# Altium PCB Graviton_11JAN15.PcbDoc (part 1 of 11) (continued)
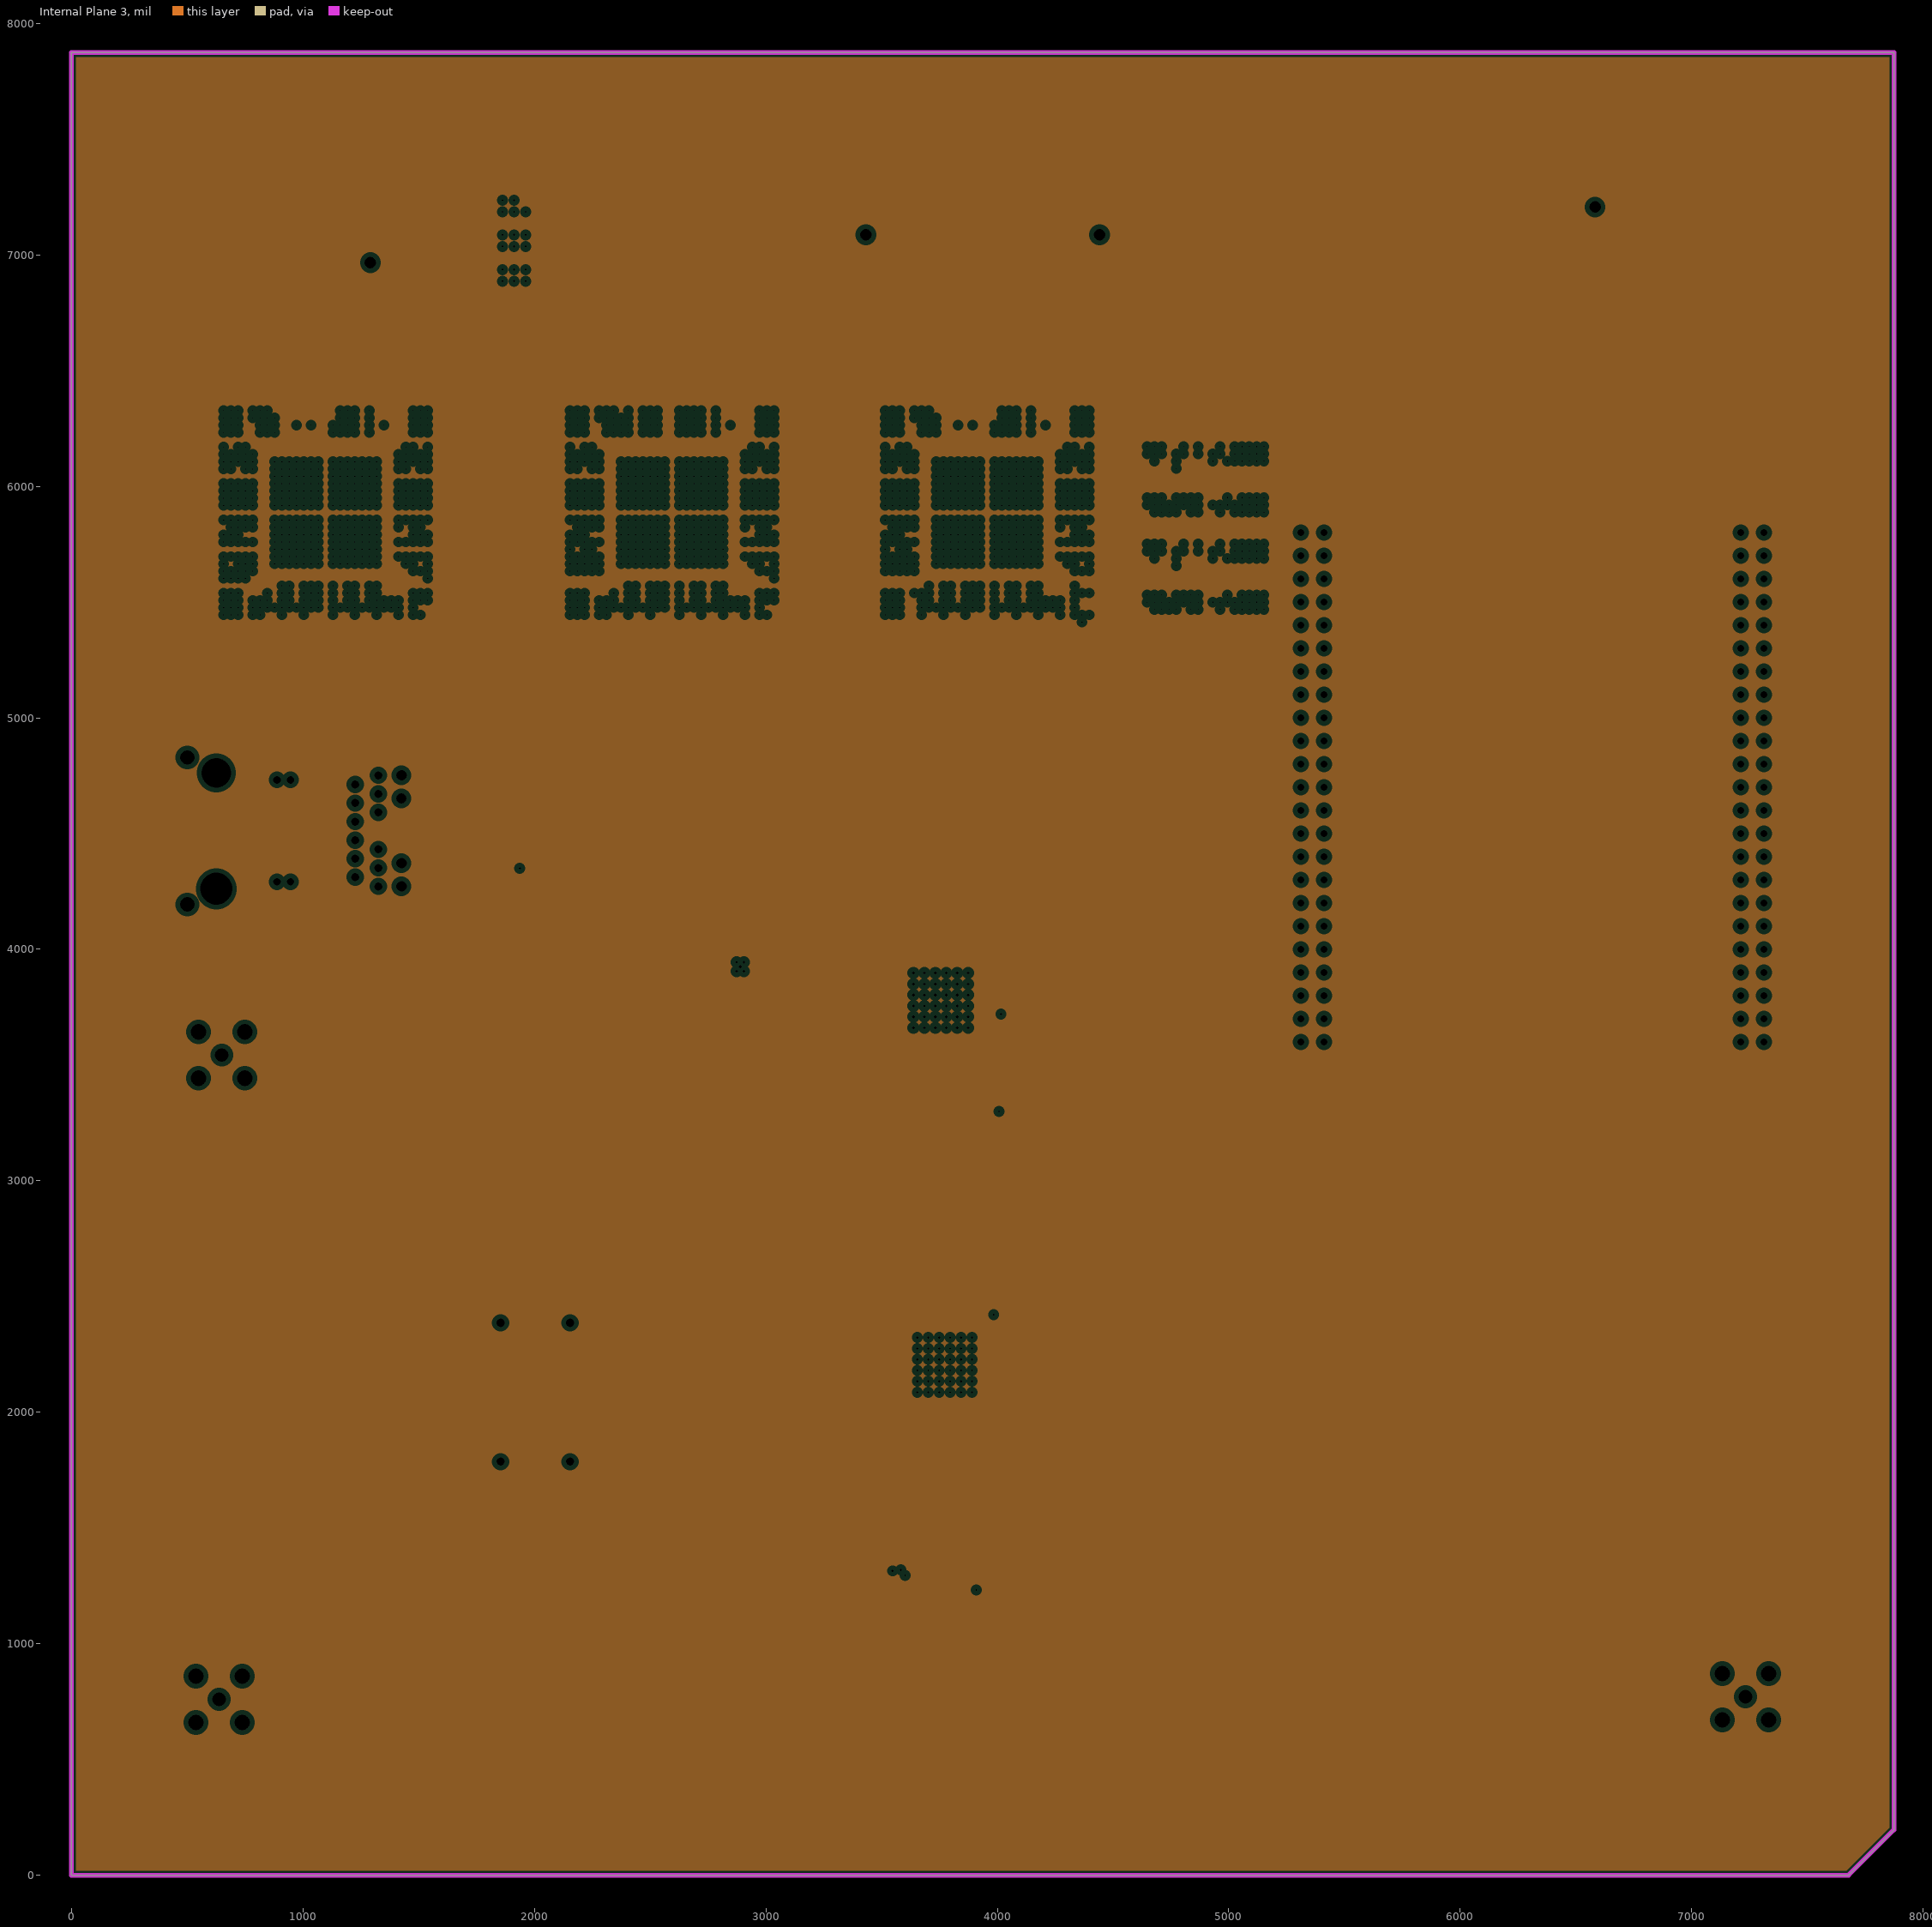
[diagram p3: Internal Plane 3, clearances drawn from the general rule]
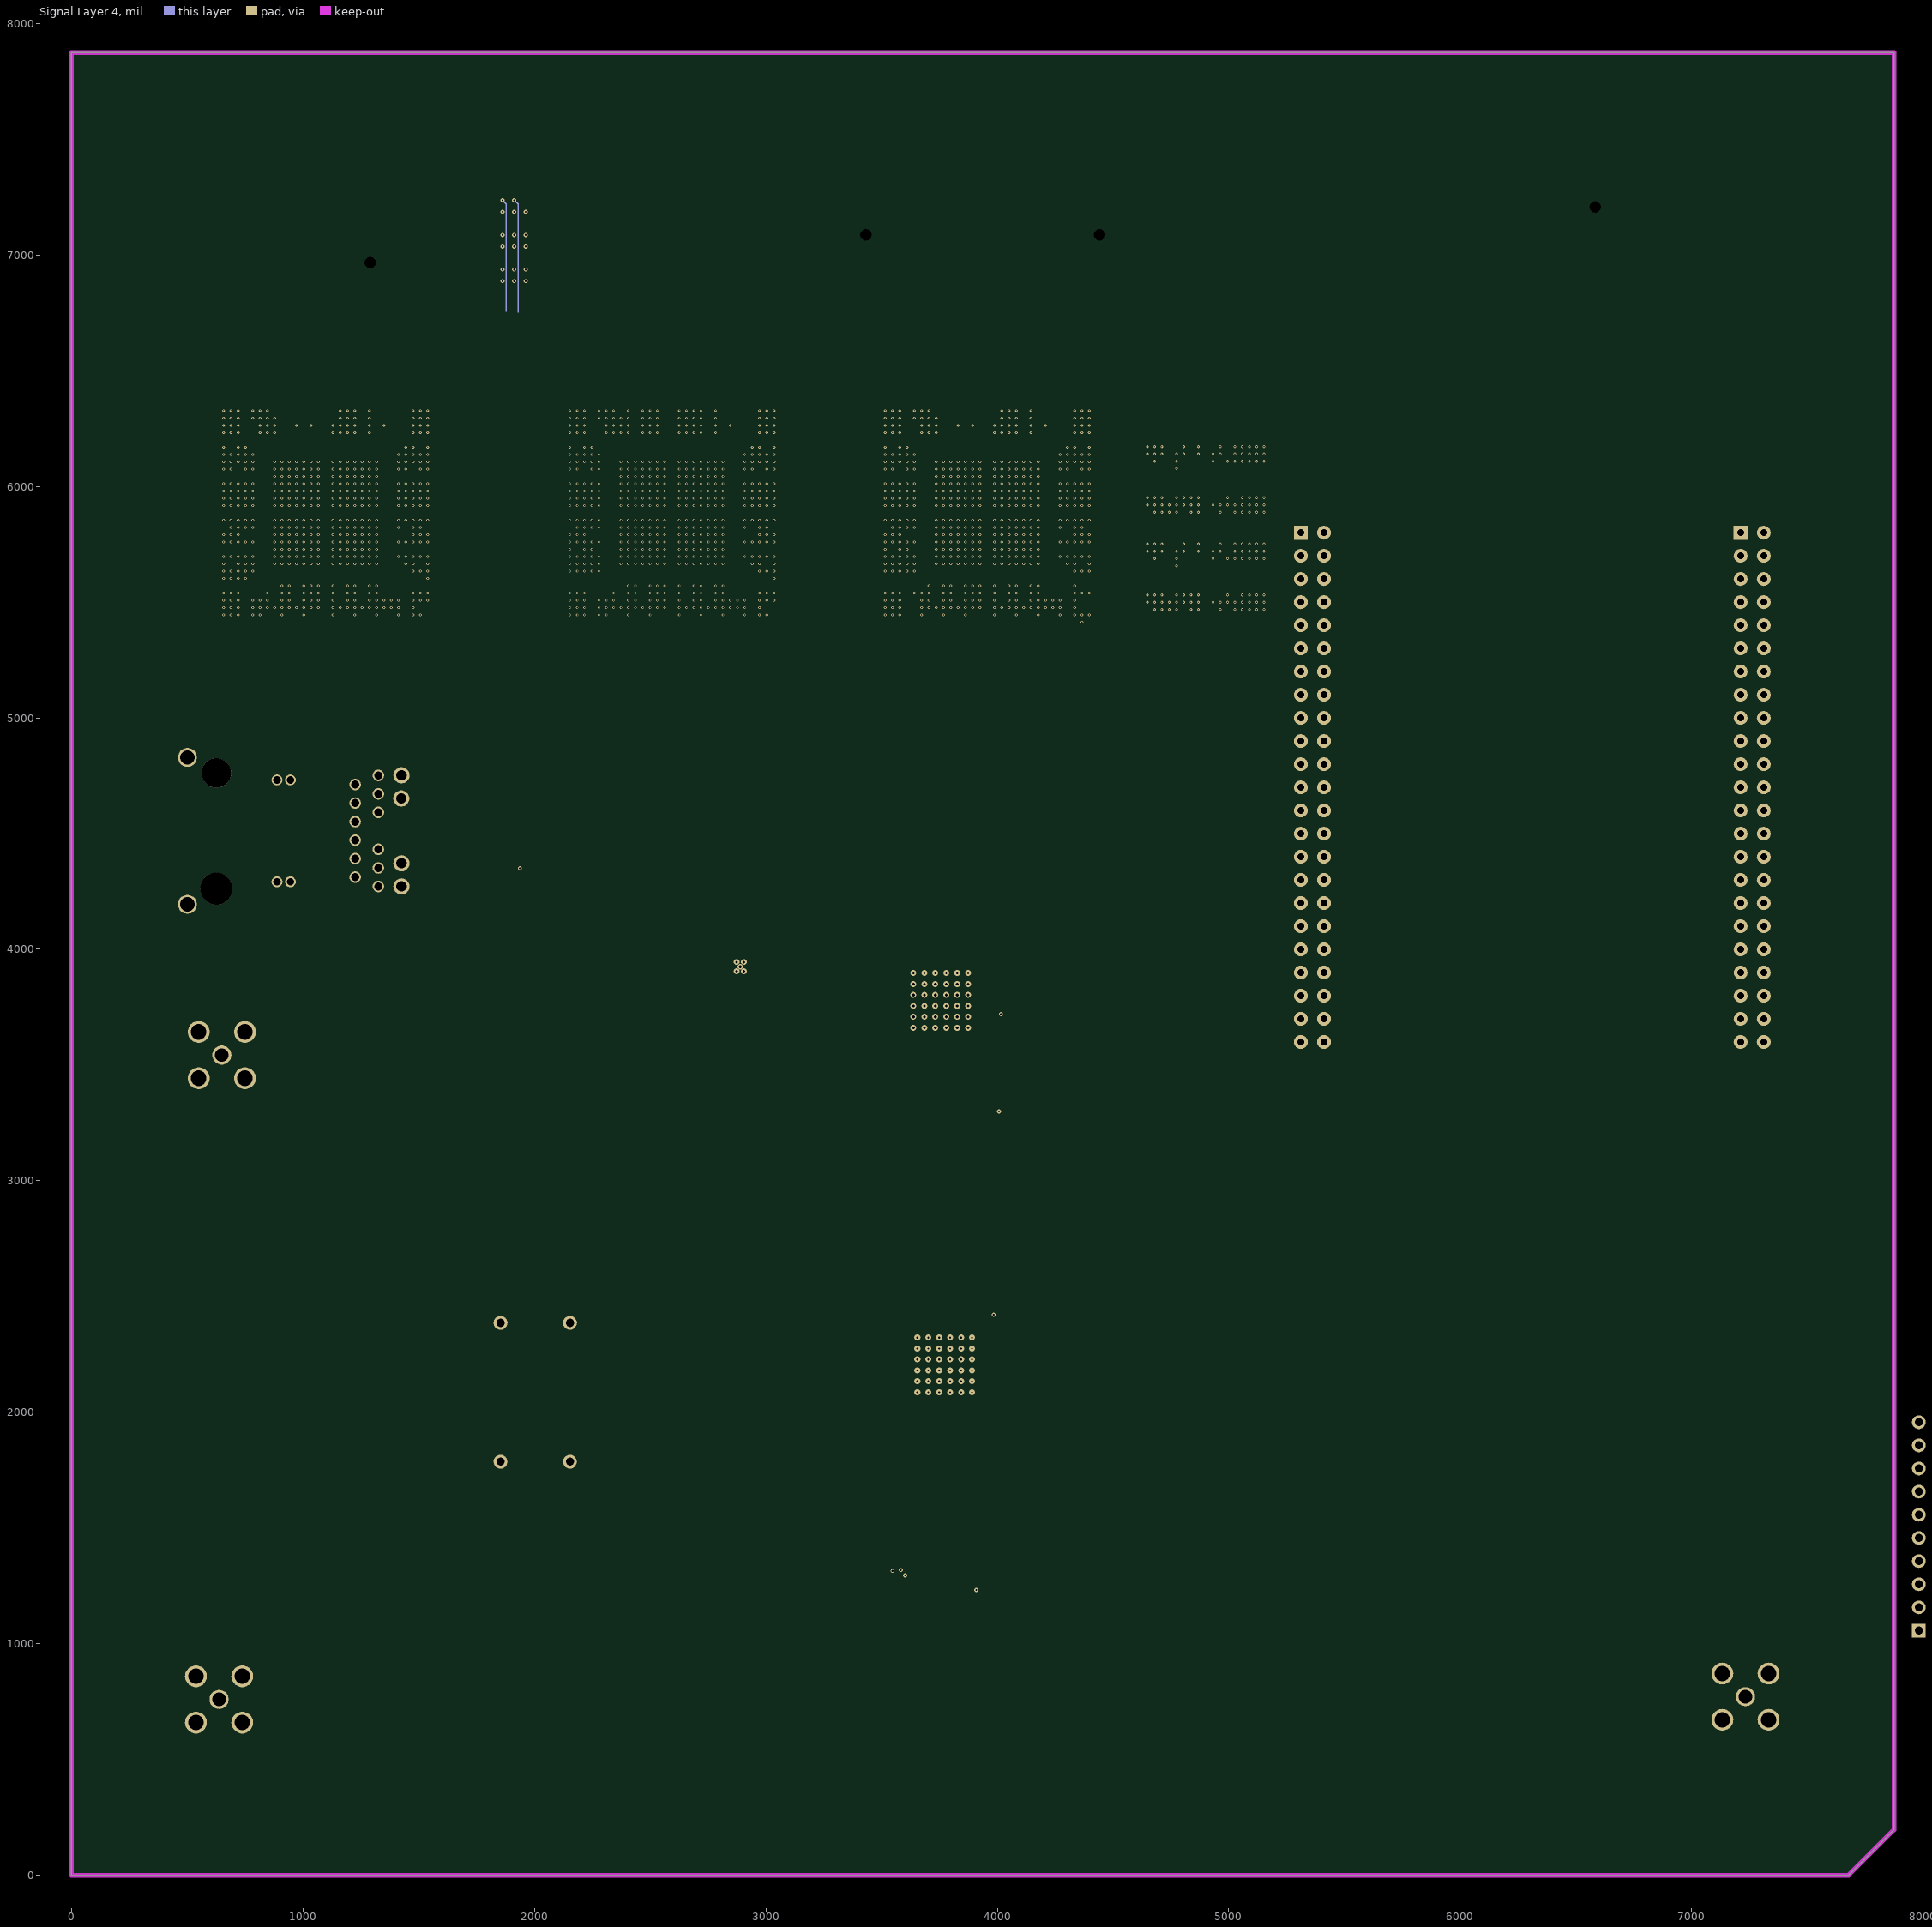
[diagram p4: Signal Layer 4]
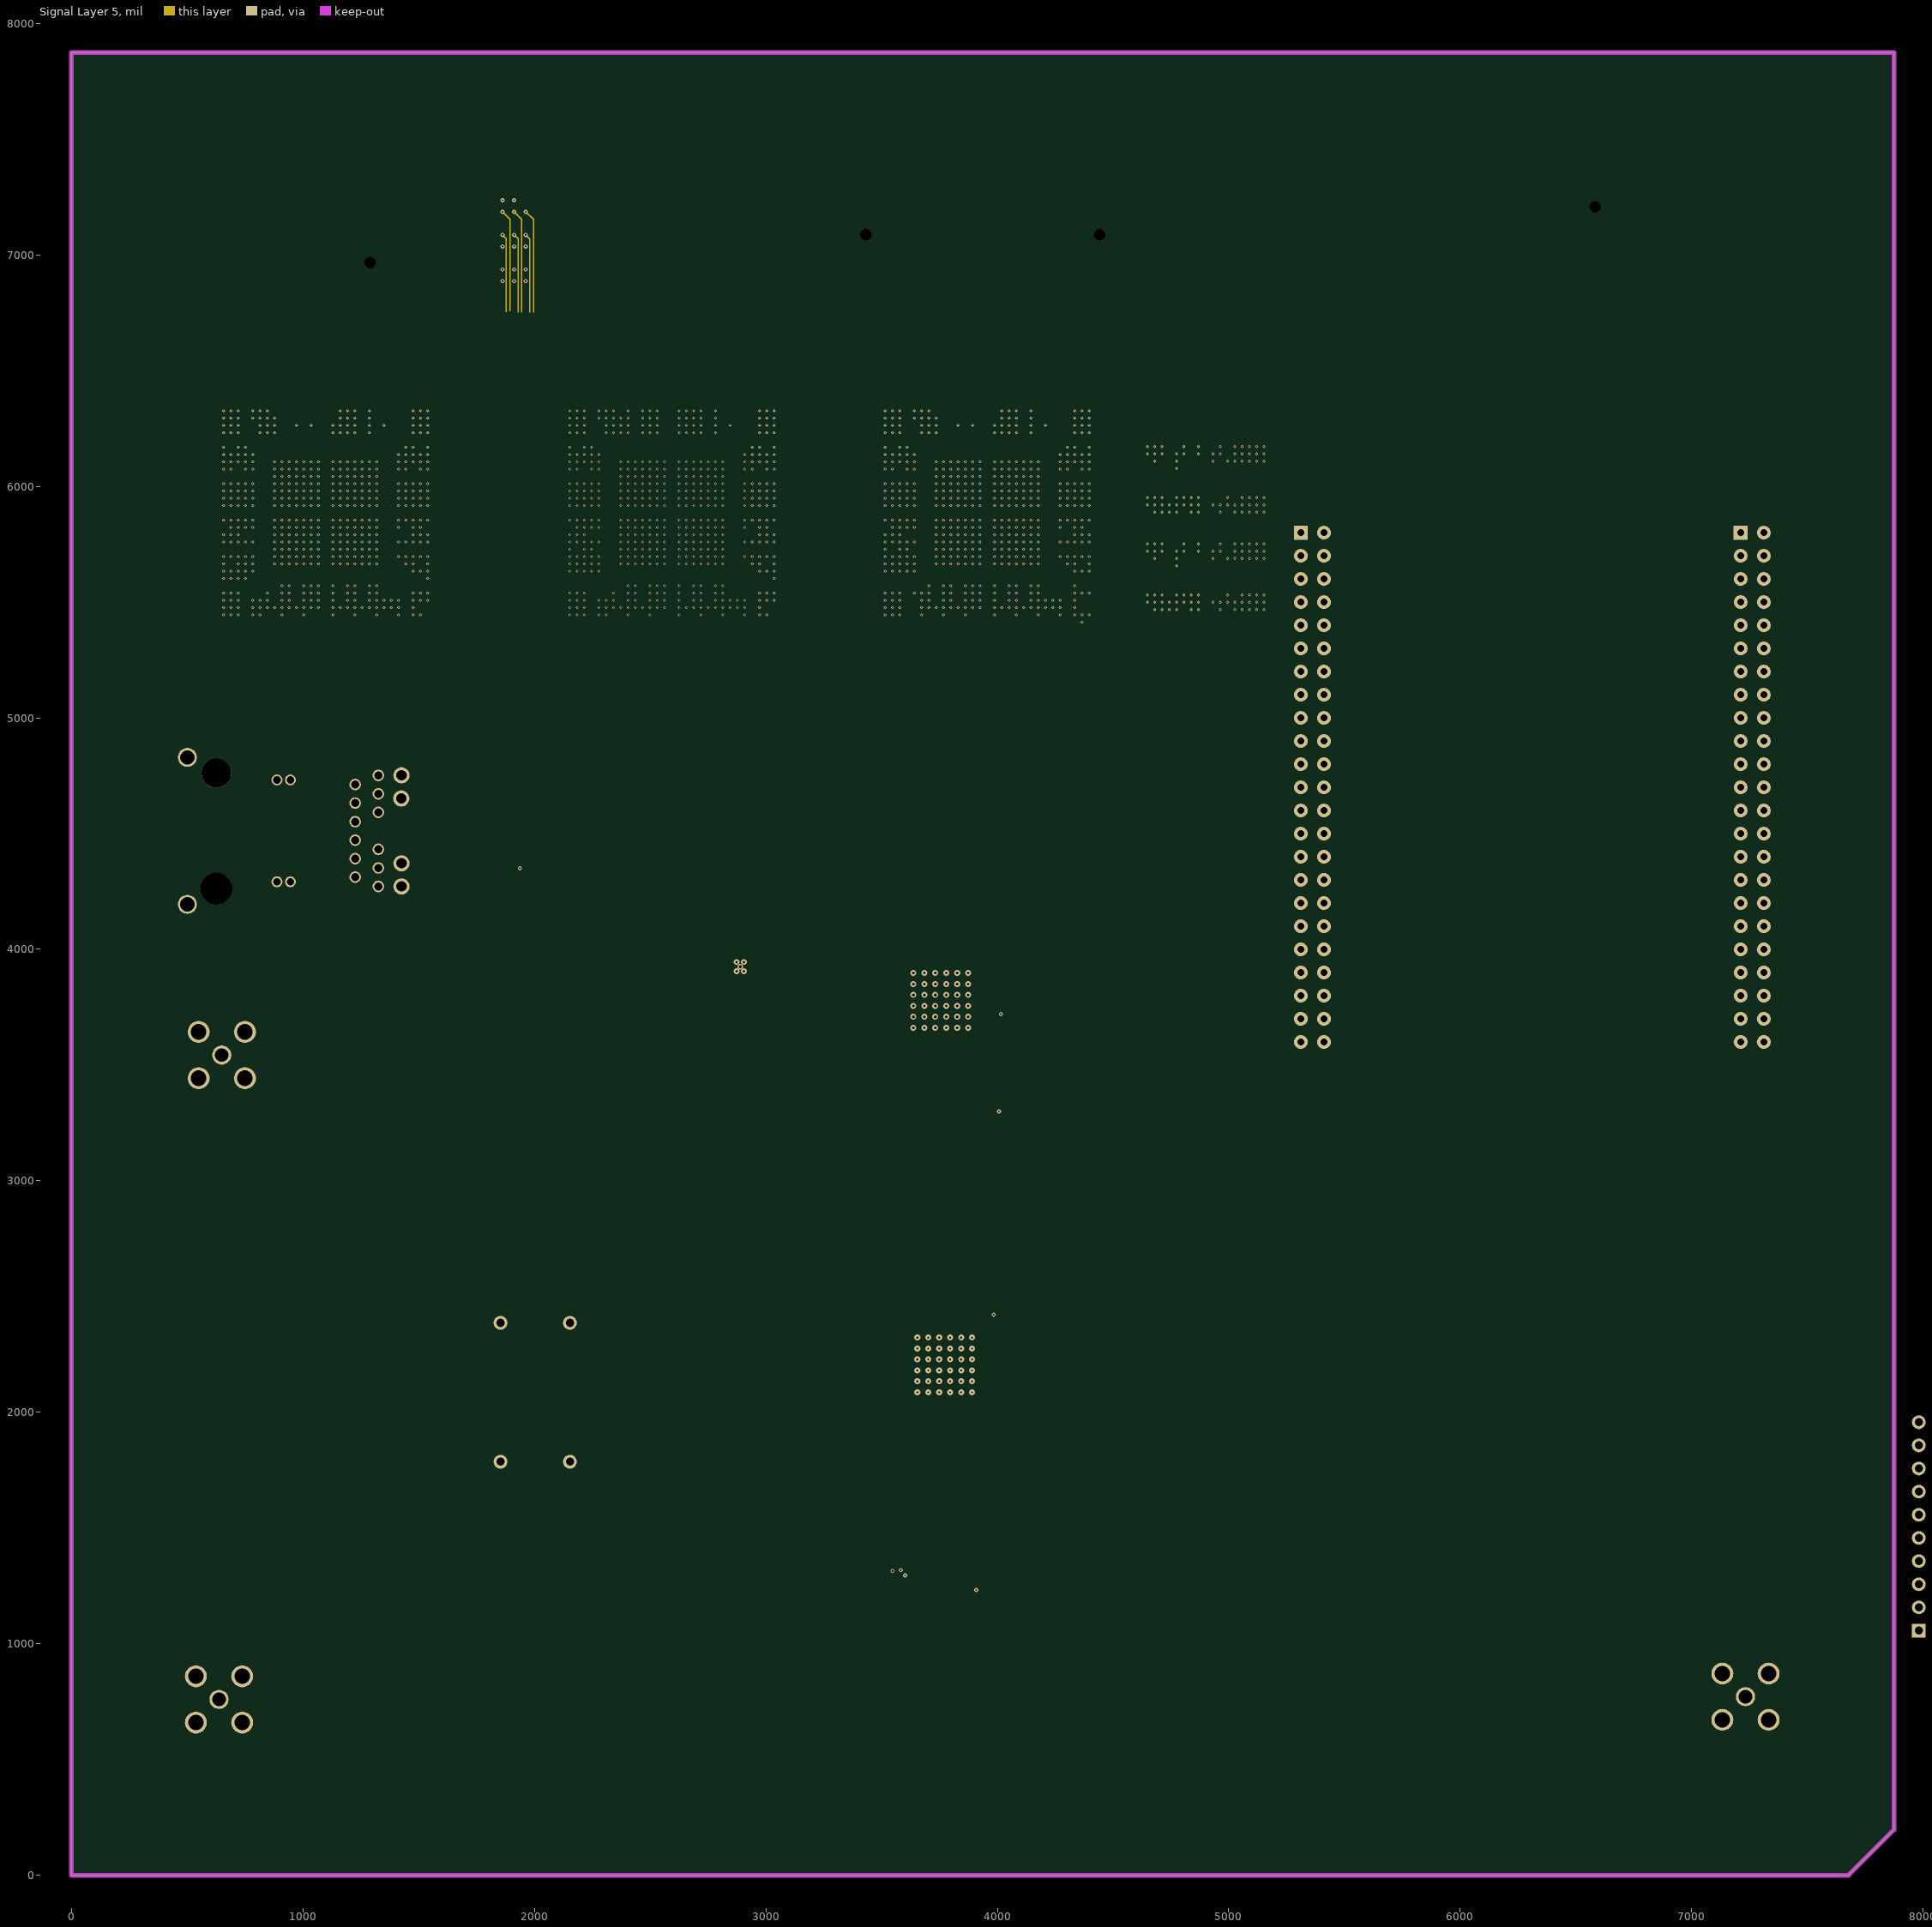
[diagram p5: Signal Layer 5]
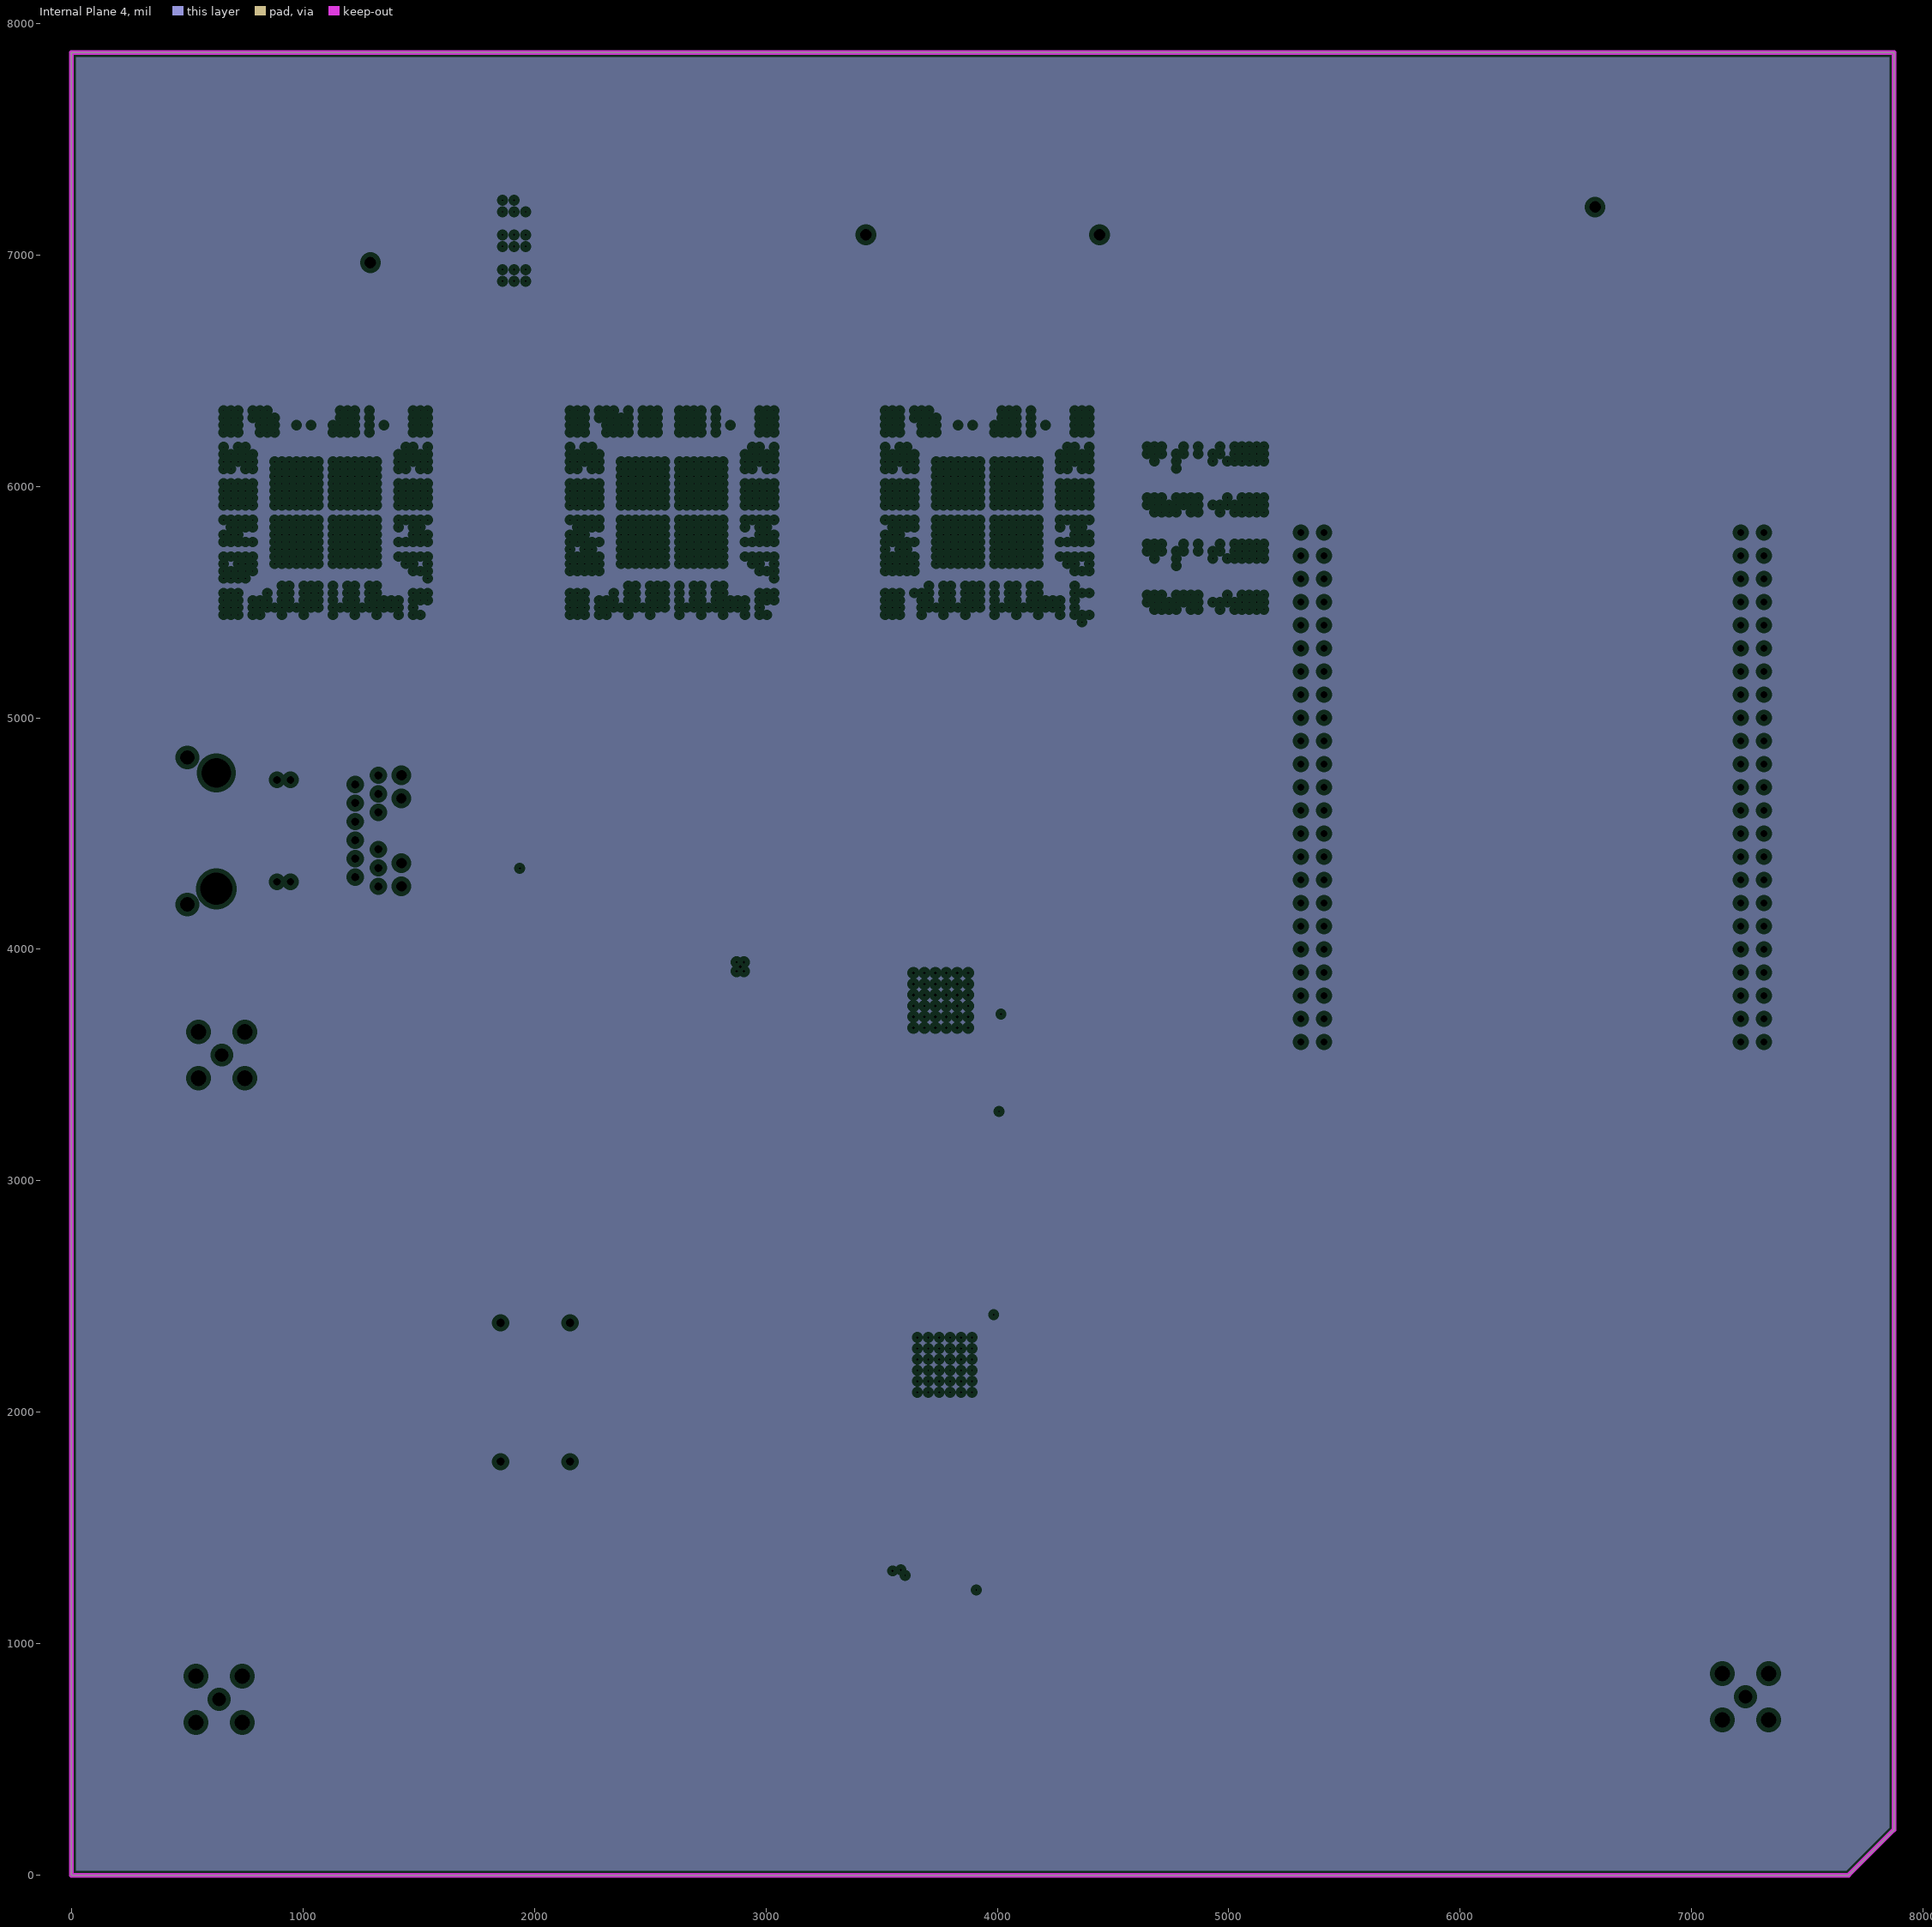
[diagram p6: Internal Plane 4, clearances drawn from the general rule]